# KiCad board TRX055.01.01.PB.00.00.kicad_pcb (continued)
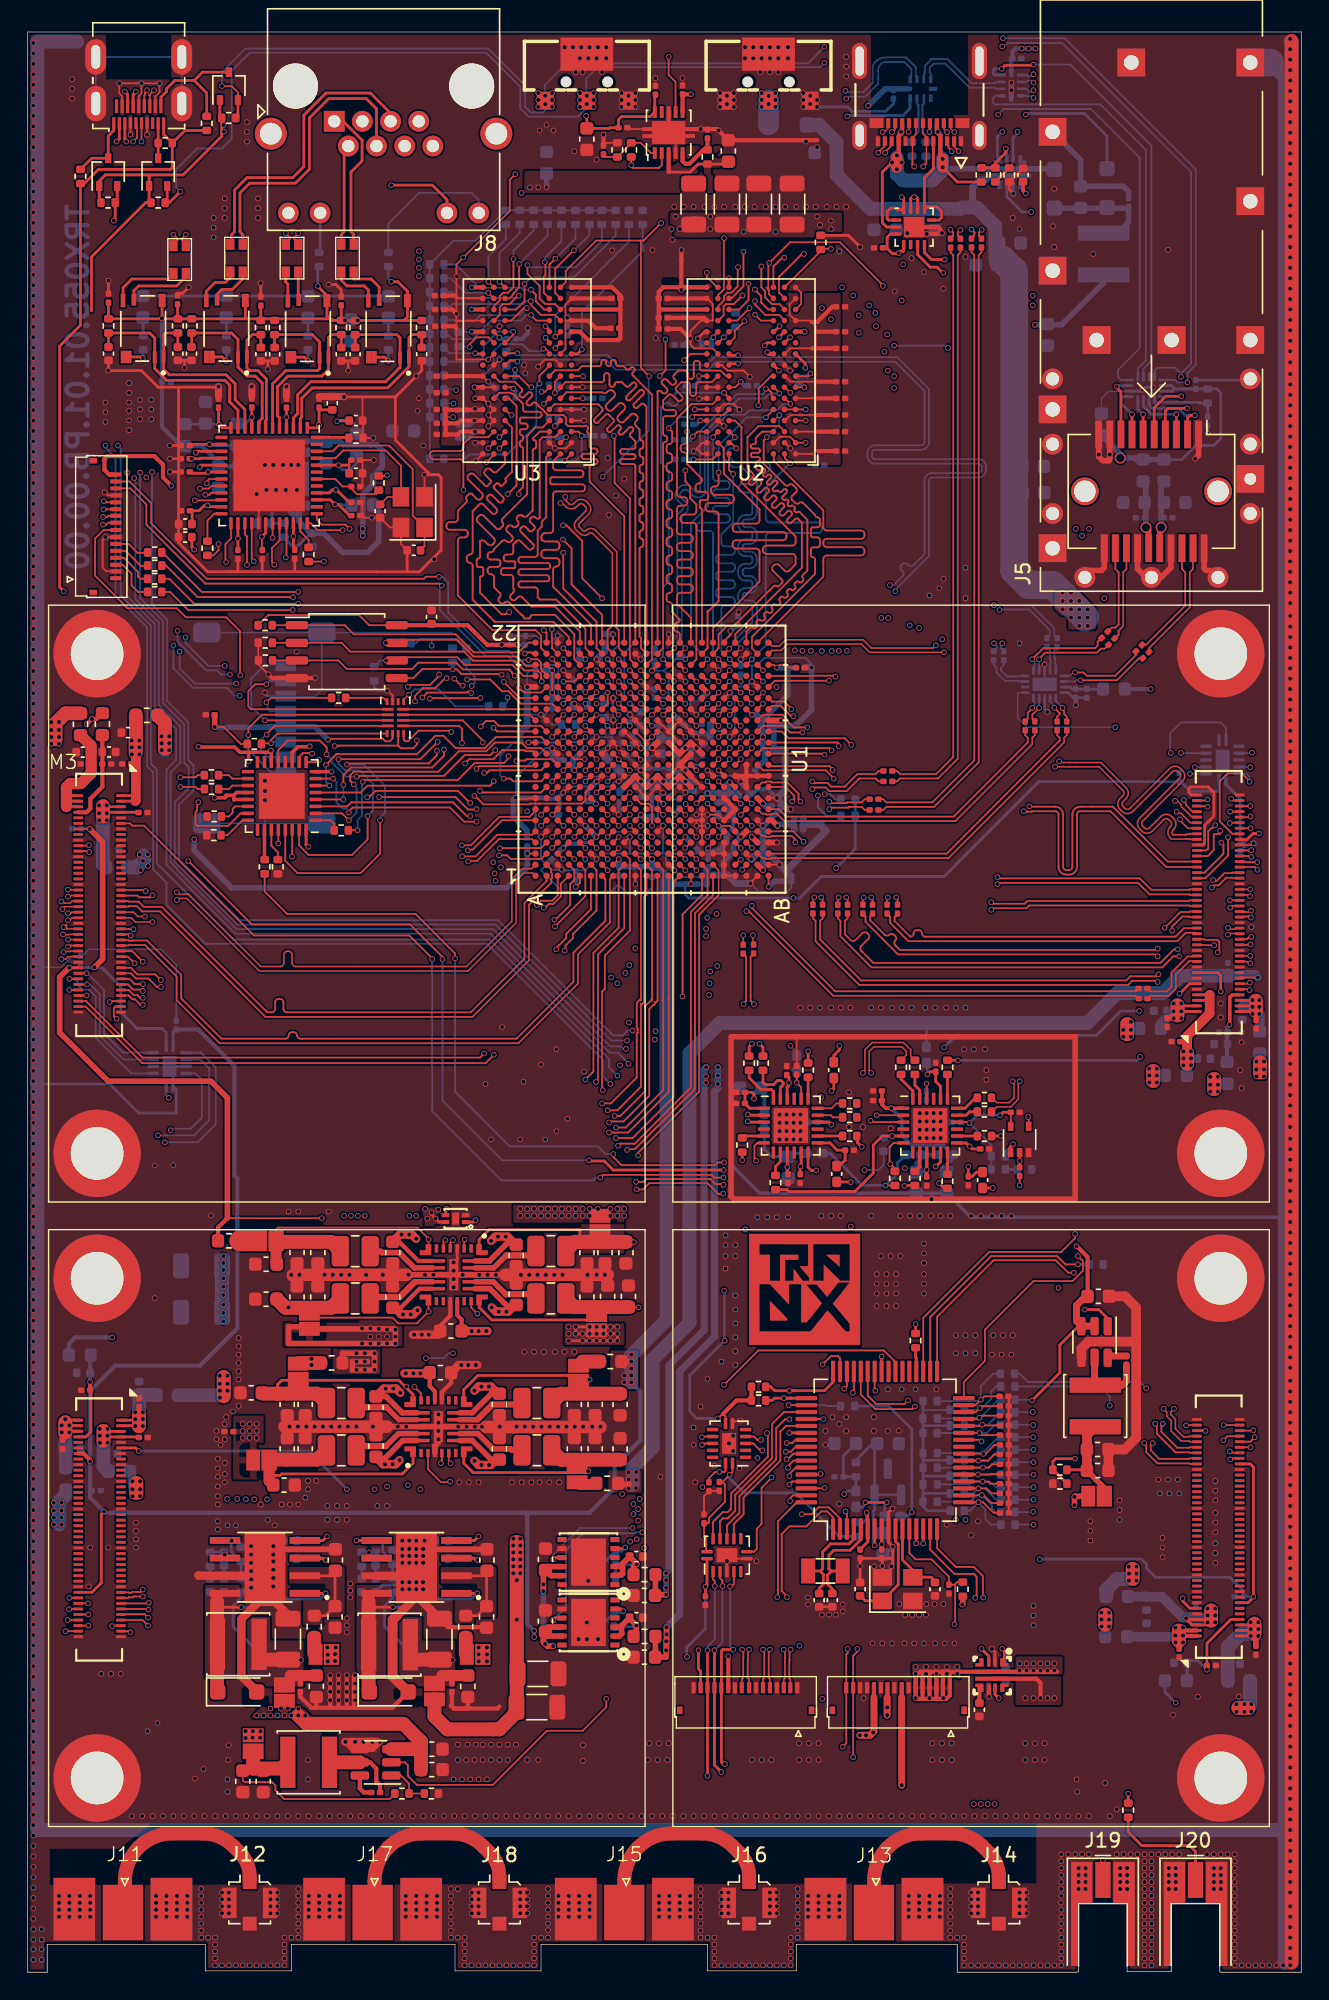
[diagram p0: board, top side]
## Routing (per net, layer and track width the routed paths; a pad name or vN(x,y) marks a point on that pad's centre or on a via; arc(x,y) is an arc through that point) (continued)
/ETH_PHY_Metal/SMI_MDIO: length 37.1
  Top w0.127: 29.6,93.55 29.6,93.35 29,92.75 27.55,92.75 v1(27.4,92.6) ; v1(23.2,104) 22.9,104.3 21.2,104.3 20.84,104.66 U11.37 ; U1.C11 37.8,87.4 35.95,87.4 35.85,87.3 35.27,87.3 v1(35.23,87.26)
  In2.Cu w0.127: 27.3,92.6 27.1,92.4 27.1,92 ; 27.1,92 27.1,88.77 28.77,87.1 30.15,87.1 30.73,87.68 30.73,88.51 31.15,88.93 31.45,88.93 33.14,87.24 35.2,87.24 v1(35.23,87.26) ; 27.1,92 27.1,92.08 ; v1(23.2,104) 23.2,103.27 28.24,98.23 28.24,96.97 28.24,94.64 29.37,93.51 29.64,93.51 v1(29.65,93.5)
/EXTIO_CLK_N: length 67.6
  Top w0.124: v1(51.5,23.25) 51.59,23.16 51.59,22.64 51.57,22.63 51.57,21.2 51.47,21.1 J23.9
  Top w0.127: U1.L4 v1(45,81)
  In2.Cu w0.106: v1(45,81) 45.25,81.25 45.39,81.25 45.65,80.99 45.65,53.98 44.75,53.08 44.75,35.34 45.15,34.94 45.15,26.94 46.84,25.25 49.94,25.25 50.14,25.05 arc(50.2,24.89) 50.14,24.72 arc(50.07,24.56) 50.14,24.4 50.23,24.3 arc(50.4,24.23) 50.56,24.3 arc(50.72,24.37) 50.89,24.3 51.6,23.59 51.6,23.35 v1(51.5,23.25)
/EXTIO_CLK_P: length 67.6
  Top w0.124: v1(52,23.25) 51.91,23.16 51.91,22.51 51.9,22.5 51.9,21.2 52,21.1 J23.8
  Top w0.127: U1.L5 v1(45,81.8)
  In2.Cu w0.106: v1(45,81.8) 45.25,81.55 45.51,81.55 45.52,81.57 45.95,81.13 45.95,53.85 45.05,52.95 45.05,35.46 45.45,35.06 45.45,27.06 46.96,25.55 50.07,25.55 51.9,23.72 51.9,23.35 v1(52,23.25)
/EXTIO_CS: length 65.6
  Top w0.127: U1.K5 v1(43.4,82.6)
  Top w0.2: J23.15 48.5,21.7 48.35,21.85 v1(48.35,23.2)
  In2.Cu w0.127: v1(48.35,23.2) 48.35,24.25 47.72,24.88 46.62,24.88 44.8,26.7 44.8,34.7 44.4,35.1 44.4,78.4 43.6,79.2 43.6,81.48 43.76,81.65 43.76,81.95 43.6,82.12 43.6,82.4 v1(43.4,82.6)
/EXTIO_D0_N: length 67.3
  Top w0.124: J23.6 53,21.1 53.09,21.19 53.09,23.16 v1(53,23.25)
  Top w0.127: U1.N3 v1(46.6,80.2)
  In2.Cu w0.106: 45.45,50.9 45.43,50.91 ; v1(53,23.25) 53.1,23.35 53.1,23.52 52.17,24.45 arc(52.04,24.5) 51.92,24.45 arc(51.79,24.4) 51.67,24.45 51.49,24.62 arc(51.44,24.75) 51.49,24.87 arc(51.54,24.99) 51.49,25.12 51.32,25.3 arc(51.19,25.35) 51.07,25.3 arc(50.95,25.24) 50.82,25.3 50.64,25.47 arc(50.59,25.6) 50.64,25.72 arc(50.7,25.84) 50.64,25.97 50.45,26.17 47.82,26.17 46.38,27.61 46.38,32.7 arc(46.32,32.83) 46.2,32.88 arc(45.85,33.02) 45.71,33.37 45.71,33.83 arc(45.85,34.18) 46.2,34.32 arc(46.32,34.37) 46.38,34.5 46.38,35.78 45.45,36.7 45.45,52.43 46.49,53.48 46.49,78.81 46.25,79.05 46.25,79.85 v1(46.6,80.2)
/EXTIO_D0_P: length 67.3
  Top w0.124: v1(53.5,23.25) 53.41,23.16 53.41,21.19 53.5,21.1 J23.5
  Top w0.127: U1.N4 v1(46.6,81)
  In2.Cu w0.106: v1(53.5,23.25) 53.4,23.35 53.4,23.65 50.58,26.47 47.94,26.47 46.68,27.73 46.68,32.7 arc(46.54,33.05) 46.2,33.19 arc(46.07,33.24) 46.02,33.37 46.02,33.83 arc(46.07,33.96) 46.2,34.01 arc(46.54,34.15) 46.68,34.5 46.68,35.87 45.75,36.8 45.75,52.3 46.8,53.35 46.8,78.9 47,79.1 47,80.6 v1(46.6,81)
/EXTIO_D1_N: length 67.2
  Top w0.124: J23.3 54.5,21.1 54.57,21.17 54.57,22.63 54.59,22.64 54.59,23.16 v1(54.5,23.25)
  Top w0.127: U1.P2 v1(47.4,79.4)
  In2.Cu w0.106: v1(47.4,79.4) 47.4,79.1 47.05,78.75 47.05,74.14 47.65,73.54 47.65,53.16 46.35,51.86 46.35,37.04 47.35,36.03 47.35,32.5 arc(47.49,32.17) 47.81,32.03 arc(47.92,31.99) 47.96,31.88 47.96,31.34 arc(47.92,31.23) 47.81,31.18 arc(47.49,31.05) 47.35,30.72 47.35,28.11 48.35,27.12 51.07,27.12 51.33,26.86 arc(51.39,26.7) 51.33,26.55 arc(51.26,26.39) 51.33,26.24 51.44,26.12 arc(51.6,26.06) 51.75,26.12 arc(51.91,26.19) 52.06,26.12 52.18,26.01 arc(52.24,25.85) 52.18,25.7 arc(52.11,25.54) 52.18,25.39 52.29,25.28 arc(52.45,25.21) 52.6,25.28 arc(52.76,25.34) 52.91,25.28 54.6,23.59 54.6,23.35 v1(54.5,23.25)
/EXTIO_D1_P: length 67.2
  Top w0.124: v1(55,23.25) 54.91,23.16 54.91,22.51 54.9,22.5 54.9,21.17 54.97,21.1 J23.2
  Top w0.127: U1.P3 v1(47.4,80.2)
  In2.Cu w0.106: 46.72,49.21 46.73,49.22 ; v1(55,23.25) 54.9,23.35 54.9,23.72 51.2,27.43 48.47,27.43 47.66,28.24 47.66,30.72 arc(47.7,30.83) 47.81,30.87 arc(48.14,31.01) 48.27,31.34 48.27,31.88 arc(48.14,32.21) 47.81,32.34 arc(47.7,32.39) 47.66,32.5 47.66,36.16 46.65,37.16 46.65,51.74 47.95,53.04 47.95,73.66 47.35,74.26 47.35,78.58 47.8,79.02 47.8,79.8 v1(47.4,80.2)
/FCCLK: length 65.2
  Top w0.127: 30.51,35.31 29.78,35.31 28.85,36.24 U6.3 ; U17.39 62.55,43.97 61.72,44.8 52.67,44.8 50.2,42.33 v1(50.2,42.33) ; U4.3 31.46,52.75 v1(31.5,52.79)
  In2.Cu w0.127: v1(48.63,34.96) 48.65,34.97 48.65,36.36 49.18,36.89 49.18,41.27 50.13,42.22 ; 31.47,52.83 31.94,52.36 31.94,49.22 32.89,48.27 32.89,47.29 32.42,46.82 31.84,46.82 31.29,46.27 31.29,44.56 30.74,44.01 30.74,42.55 30.2,42.01 30.2,38.1 31,37.3 31,35.9 v1(30.45,35.35) 30.45,35.11 30.97,34.59 42.74,34.59 42.87,34.46
  In4.Cu w0.127: v1(48.63,34.96) 48.14,34.46 42.85,34.46 v1(42.85,34.46)
/FPGA_CLK_REF_0: length 46.7
  Top w0.127: 47.2,70.35 47.2,76.22 48.58,77.6 48.6,77.6 U1.T1
  Top w0.2: U13.5 61.6,60.25 60.95,59.6 60.95,57.58 59.62,56.25 54.85,56.25 54.71,56.39 R77.2
  In2.Cu w0.127: 62.39,60.24 61.18,60.24 60.99,60.43 58.93,60.43 58.62,60.12 57.39,60.12 57.18,60.33 v1(57.18,63.05)
  In4.Cu w0.127: 57.19,63.07 56.76,63.5 51.3,63.5 50.8,63 49.3,63 48.4,63.9 48.4,66.1 47.2,67.3 v1(47.2,70.3)
  Bottom w0.127: R163.2 61.78,60.25 v1(62.31,60.25)
/FPGA_CLK_REF_1_N: length 39.7
  Top w0.106: v1(60.8,64.8) 60.65,64.95 60.65,66.34 60.99,66.67 63.01,66.67 63.33,66.35 63.33,66.09 R78.2
  Top w0.127: U1.K3 v1(44.2,80.2)
  In2.Cu w0.106: 45.1,67.3 44.85,67.55 44.85,78.82 44.2,79.47 v1(44.2,80.2)
  In4.Cu w0.106: v1(45.2,67.2) 45.37,67.37 45.59,67.37 47.85,65.12 47.85,63.44 49.04,62.25 59.36,62.25 60.65,63.54 60.65,64.65 v1(60.8,64.8)
/FPGA_CLK_REF_1_P: length 40.3
  Top w0.106: R79.2 63.64,66.02 63.64,66.48 63.14,66.98 60.86,66.98 60.35,66.46 60.35,64.95 v1(60.2,64.8)
  Top w0.127: U1.K4 v1(44.2,81)
  In2.Cu w0.106: v1(44.2,81) 44.51,80.69 44.51,80.39 44.55,80.35 44.55,80.05 44.51,80.01 44.51,79.62 45.15,78.98 45.15,67.9
  In4.Cu w0.106: v1(60.2,64.8) 60.35,64.65 60.35,63.66 59.24,62.55 49.16,62.55 48.15,63.56 48.15,65.25 45.72,67.68 45.37,67.68 v1(45.25,67.8)
/GT_LANE0_SEL: length 65.1
  Top w0.127: v1(75.5,53.2) 75.5,52.9 74.5,51.9 69.3,51.9 64.55,47.15 U17.35
  In4.Cu w0.127: 75.45,53.25 v1(75.5,53.2) ; 75.45,53.25 75.5,53.3 ; 75.45,53.25 75.35,53.35 75.35,68.95 77.15,70.75 77.15,86.75 78.4,88 v1(78.4,89.7)
  Bottom w0.1: v1(78.4,89.7) 72.05,89.7 71.35,90.4 71.35,92.15 71.4,92.2 U26.6
/GT_RX0_N: length 2
  Top w0.124: v1(72.4,91.1) 72.4,91.06 72.09,90.75 72.09,90.34 71.9,90.15 C91.1
  Bottom w0.124: v1(72.4,91.1) 72.57,91.27 72.57,91.73 U26.5
/GT_RX0_P: length 2
  Top w0.124: C90.1 72.6,90.15 72.41,90.34 72.41,90.6 72.76,90.95 72.76,90.96 v1(72.9,91.1)
  Bottom w0.124: U26.4 v1(72.9,91.1)
/GT_RX1_N: length 45.3
  Top w0.124: C269.1 68.03,123.92 68.23,123.73 68.23,87.32 65.2,84.29 61.89,84.29 61.67,84.52 C89.1
/GT_RX1_P: length 45.8
  Top w0.124: C270.1 68.75,123.92 68.55,123.73 68.55,87.18 65.34,83.97 61.89,83.97 61.67,83.74 C88.1
/GT_RX2_N: length 23.7
  Top w0.124: M1.29 84.21,74.9 83.48,74.9 82.87,74.29 63.48,74.29 62.16,75.61 62.16,76.04 61.95,76.25 C93.1
/GT_RX2_P: length 23.7
  Top w0.124: M1.31 83.34,75.22 82.73,74.61 64.7,74.61 arc(64.53,74.68) 64.46,74.85 arc(64.39,75.02) 64.22,75.09 64.1,75.09 arc(63.93,75.02) 63.86,74.85 arc(63.79,74.68) 63.62,74.61 62.49,75.74 62.49,76.04 62.7,76.25 C92.1
/GT_RX3_N: length 28.9
  Top w0.106: 87.03,74.85 86.61,74.85 v1(86.51,74.75)
  Top w0.124: C95.1 60.2,76.25 60.39,76.06 60.39,75.68 62.73,73.34 81.3,73.34
  In2.Cu w0.106: v1(81.45,73.2) 81.57,73.32 81.92,73.32 83.45,74.85 86.42,74.85 v1(86.51,74.75)
/GT_RX3_P: length 28.9
  Top w0.106: 87.03,75.15 86.61,75.15 v1(86.51,75.25)
  Top w0.124: 81.3,73.66 62.87,73.66 62.54,74 arc(62.47,74.16) 62.54,74.33 arc(62.6,74.5) 62.54,74.67 62.45,74.76 arc(62.28,74.83) 62.11,74.76 arc(61.94,74.69) 61.78,74.76 60.71,75.82 60.71,76.06 60.9,76.25 C94.1
  In2.Cu w0.106: v1(86.51,75.25) 86.42,75.15 83.32,75.15 81.79,73.63 81.57,73.63 v1(81.45,73.75)
/GT_TX0_N: length 2
  Top w0.124: v1(74,91.1) 74.39,90.71 74.39,90.65 74.2,90.47 C97.1
  Bottom w0.124: v1(74,91.1) 74,91.24 73.74,91.5 73.74,91.76 U26.2
/GT_TX0_P: length 2
  Top w0.124: v1(74.6,91.1) 74.6,90.96 74.71,90.85 74.71,90.65 74.9,90.47 C96.1
  Bottom w0.124: v1(74.6,91.1) 74.06,91.64 74.06,91.76 U26.1
/GT_TX1_N: length 42.3
  Top w0.124: C268.1 67.23,123.91 67.04,123.72 67.04,87.43 65.62,86.01 62.88,86.01 62.67,85.8 C98.1
/GT_TX1_P: length 41.8
  Top w0.124: C267.1 66.52,123.91 66.71,123.72 66.71,87.56 65.49,86.34 62.88,86.34 62.67,86.55 C99.1
/GT_TX2_N: length 32.9
  Top w0.124: v1(82.9,73.7) 82.62,73.7 81.65,72.73 60.95,72.73 60.08,73.6 arc(60.01,73.77) 60.08,73.94 60.6,74.45 arc(60.67,74.62) 60.6,74.79 60.51,74.88 arc(60.34,74.95) 60.17,74.88 59.66,74.36 arc(59.49,74.29) 59.32,74.36 58.91,74.77 58.91,75.74 59.1,75.93 C100.1 ; M1.25 84.81,74.03 84.83,74 v1(85.51,74)
  In2.Cu w0.106: v1(82.9,73.7) 82.93,73.67 83.45,73.67 83.51,73.6 84.99,73.6 85.1,73.72 85.11,73.72 85.24,73.85 85.36,73.85 v1(85.51,74)
/GT_TX2_P: length 32.9
  Top w0.124: v1(83,73.2) 82.58,73.2 81.78,72.4 60.82,72.4 58.58,74.64 58.58,75.74 58.39,75.93 C101.1 ; M1.27 84.81,74.42 84.84,74.39 85.76,74.39 85.9,74.25 85.9,73.5 85.88,73.48 v1(85.77,73.48)
  In2.Cu w0.106: v1(85.77,73.48) 85.57,73.28 85.13,73.28 85.11,73.3 83.39,73.3 83.29,73.2 v1(83,73.2)
/GT_TX3_N: length 36.7
  Top w0.124: 87.92,74.06 87.89,74.03 M1.26 ; C102.1 56.6,75.93 56.79,75.75 56.79,74.28 59.93,71.14 79.32,71.14 79.62,71.43 81.37,71.43 v1(81.45,71.35)
  In2.Cu w0.106: v1(88.15,74.05) 88.05,74.15 87.41,74.15 85.26,71.99 82.09,71.99 81.85,71.75 81.85,71.75 81.65,71.54 81.64,71.54 v1(81.45,71.35)
/GT_TX3_P: length 36.3
  Top w0.124: C103.1 57.3,75.93 57.11,75.75 57.11,74.42 60.07,71.46 79.18,71.46 79.48,71.76 81.37,71.76 v1(81.5,71.9) ; M1.28 87.89,74.42 88.05,74.59
  In2.Cu w0.106: v1(81.5,71.9) 81.56,71.9 81.97,72.3 85.13,72.3 87.29,74.45 88.05,74.45 v1(88.2,74.6)
/GTP_REF_CLK0_N: length 5.3
  Top w0.124: C106.1 80.92,70.68 82.11,70.68 82.44,71 82.44,72.02 83.61,73.19 84,73.19 84.03,73.22 M1.21
/GTP_REF_CLK0_P: length 5.3
  Top w0.124: C104.1 80.92,70.35 82.25,70.35 82.76,70.86 82.76,71.88 83.74,72.86 84,72.86 84.03,72.83 M1.19
/GTP_REF_CLK1_N: length 8.1
  Top w0.124: 51.55,69.75 51.78,69.98 51.78,73.18 51.58,73.39
  Top w0.2: R22.2 52,66.7 v1(52.2,66.9)
  In2.Cu w0.106: v1(51.6,69.75) 51.82,69.53 51.82,68.3 52.44,67.68 52.44,67.14 v1(52.2,66.9)
/GTP_REF_CLK1_P: length 8
  Top w0.124: v1(52.35,69.75) 52.11,69.99 52.11,73.18 C107.1
  Top w0.2: v1(52.75,66.9) 53,66.65 R23.2
  In2.Cu w0.106: v1(52.75,66.9) 52.75,67.83 52.13,68.45 52.13,69.53 v1(52.35,69.75)
/HDMI/HDMI_HPD: length 131.6
  Top w0.127: U17.59 55.36,36.36 54.9,35.9 v1(54.9,35.75)
  Top w0.2: Q3.2 6.45,127.65 R106.2 6.3,126.3
  In4.Cu w0.127: v1(54.9,35.75) 53.97,34.82 49.43,34.82 44.9,39.35 44.9,61.1 v1(42,64) ; v1(6.2,126.2) 6.2,110.6 v1(5.6,110)
  Bottom w0.127: v1(42,64) 41.5,64.5 41.5,65.7 33.1,74.1 12.8,74.1 10,76.9 10,78.5 9.03,79.47 9.03,86.48 8.6,86.91 8.6,96.9 6.33,99.17 6.33,109.13 5.6,109.85 v1(5.6,110)
/Main_Power/BOOT_PWR: length 8.6
  Bottom w0.4: L16.1 78.55,125.3 79.35,126.1 C287.2 79.27,127.1 D1.1
/Main_Power/OVLO: length 3.5
  Top w0.2: R98.1 R99.1 69.75,130.35 70.5,131.1 v1(70.5,131.4)
  Bottom w0.2: v1(70.5,131.4) 70.57,131.32 70.57,130.6
/Main_Power/TPS5430DD_DCDC1/FB: length 6.2
  Top w0.2: U7.5 23.7,31.1 v1(23.7,31.1)
  Bottom w0.2: 26.3,28.41 26.3,29.59 25.59,30.3 25.59,30.91 25.4,31.1 v1(23.7,31.1)
/Main_Power/TPS5430DD_DCDC1/TPSSW: length 10.6
  Top w0.127: U7.8 24.58,26.72
  Top w0.2: v1(26.33,26.3) 24.67,26.3 24.58,26.2
  Top w1: 24.58,26.72 24.58,20.2
  Bottom w0.2: C253.2 27,26.3 v1(26.33,26.3)
/Main_Power/TPS5430DD_DCDC1/TPSVIN: length 6.7
  Top w0.2: U7.2 32.74,28.56 C250.1 33.08,28.9 C249.1 32.39,25.69 FB39.2
/Main_Power/TPS5430DD_DCDC1/TPSVOUT: length 12.6
  Top w0.4: 29.85,21.38 29.28,20.8
  Top w0.8: C257.1 29.85,21.38
  Top w1: 29.28,22.53 28,22.53
  Bottom w0.2: 26.3,27.39 26.3,26.97 25.72,26.4 25.72,24.9 28.12,22.5 v1(30.62,22.5)
/Main_Power/TPS5430DD_DCDC/FB: length 2.8
  Bottom w0.2: 14.66,30.91 14.66,30.3 R3.1 R2.2
  vias: v1(14.7,31.1)
/Main_Power/TPS5430DD_DCDC/TPSSW: length 10.6
  Top w0.127: 14.22,27.29 13.65,26.72
  Top w0.2: v1(15.4,26.3) 13.75,26.3 13.65,26.2
  Top w1: 13.65,20.2 13.65,26.72
  Bottom w0.2: v1(15.4,26.3) 16.08,26.3 C235.2
/Main_Power/TPS5430DD_DCDC/TPSVIN: length 6.7
  Top w0.2: FB36.2 21.46,25.69 C234.1 22.15,28.9 C233.1 21.81,28.56 19.97,28.56
/Main_Power/TPS5430DD_DCDC/TPSVOUT: length 12.6
  Top w0.4: 18.92,21.38 18.35,20.8
  Top w0.8: C239.1 18.92,21.38
  Top w1: 18.35,22.53 17.08,22.53
  Bottom w0.2: R2.1 15.38,26.97 14.8,26.4 14.8,24.9 17.2,22.5 v1(19.7,22.5)
/MOD_A1_REFCLK: length 21.7
  Top w0.2: R82.2 67.04,65.71 v1(67.05,65.7) ; v1(83.03,70.5) 83.75,71.22 M1.11
  In4.Cu w0.2: 80.2,66 80.2,68.55 82.15,70.5 v1(83.03,70.5)
  Bottom w0.2: v1(80.2,65.95) 79.95,65.7 v1(67.05,65.7)
/MOD_A2_REFCLK: length 42.6
  Top w0.2: R84.2 v1(70.15,60.25) ; v1(83.25,26.95) 83.25,26.75 83.78,26.22 M2.11
  In2.Cu w0.2: v1(83.25,26.95) 83.25,31.75 74.95,40.05 74.95,58.4 73.1,60.25 v1(70.15,60.25)
/MOD_A3_REFCLK: length 77.8
  Top w0.127: 29.05,73.15 27.5,74.7 16.3,74.7 8.39,82.61 7.53,82.61 7.36,82.78 M3.11 ; v1(50.15,57.26) 50.14,57.25 49.5,57.25 49.3,57.45 41.45,57.45 41.28,57.28 v1(41.28,57.25)
  Top w0.2: R83.2 66.07,56.48 v1(65.7,56.85)
  In2.Cu w0.2: v1(65.7,56.85) 65.65,56.8 64.2,56.8 63.4,56 52.05,56 50.79,57.26 v1(50.15,57.26)
  Bottom w0.127: v1(29.15,73) 29.15,62.05 34.15,57.05 40.75,57.05 40.95,57.25 v1(41.28,57.25)
/MOD_A4_REFCLK: length 96.5
  Top w0.2: v1(8,37.55) 7.78,37.78 M4.11 ; R74.2 v1(56.25,66.35)
  In2.Cu w0.2: v1(23,34.8) 25.3,32.5 40.65,32.5 41.6,31.55 43.55,31.55 v1(43.9,31.2)
  In4.Cu w0.127: 59.72,33.03 59.72,33 58.97,32.25 56.85,32.25 56.4,31.8 45.9,31.8 45.4,31.3 44.3,31.3 44.2,31.2 v1(43.9,31.2)
  In4.Cu w0.2: 59.72,33.03 59.9,33.2 59.9,56.29 61.67,58.06 61.67,65.62 60.95,66.35 v1(56.25,66.35)
  Bottom w0.2: v1(8,37.55) 20.25,37.55 v1(23,34.8)
/Module_A1/MOD_SPI_MISO: length 7.8
  Top w0.127: M1.68 v1(88.15,82.42)
  In2.Cu w0.127: v1(88.15,82.42) 88.47,82.42 88.8,82.75 88.8,87.35 88.3,87.85
  Bottom w0.127: U19.10 88.21,87.84 v1(88.25,87.88)
/Module_A1/MOD_SPI_MOSI: length 7.4
  Top w0.127: v1(86.65,82.8) 86.68,82.83 M1.70
  In2.Cu w0.127: 88.15,86.8 88.53,86.42 88.53,83.1 88.22,82.8 v1(86.65,82.8)
  Bottom w0.127: v1(88.12,86.83) 88.11,86.84 U19.12
/Module_A1/MOD_SPI_SCK: length 8.2
  Top w0.127: 86.68,82.17 86.82,82.03 87,82.03 ; 88.07,85.83 87.53,86.38 86.5,86.38 85.93,85.8 85.93,82.92 86.7,82.15
  Bottom w0.127: v1(88.07,85.78) 88.07,86.1 87.84,86.34 U19.13
/Module_A1/MOD_VDD_1V8D: length 5.7
  Top w0.25: 86.65,68.3 86.65,70.25 86.82,70.42 M1.8
  Bottom w0.25: v1(86.62,68.28) 86.5,68.15
  Bottom w0.3: v1(86.62,68.28) 86.45,68.1 FB26.1
/Module_A1/MOD_VDD_3V3: length 8.6
  Top w0.2: M1.5 85.2,70.03 ; M1.7 85.2,70.42
  Top w0.7: 83.57,65.78 83.57,67.45 85.2,69.08 85.2,70.42
  Top w1: 83.57,66.19 83.57,65.46
  Bottom w1: 83.57,66.19 83.57,65.46
  vias: v1(83.29,66.35) v1(83.3,65.85) v1(83.3,65.35) v1(83.85,66.35) v1(83.85,65.85) v1(83.85,65.35)
/Module_A1/MOD_VDD_SYSTEM: length 8.2
  Top w0.2: v1(88.78,70.05) 88.76,70.03 87.39,70.03 ; 87.39,69.62 88.71,69.62 v1(88.78,69.55) ; 88.53,69.3 88.46,69.22 87.39,69.22
  Top w1: 88.53,69.3 88.53,70
  In4.Cu w1: 88.53,69.25 88.43,69.35 88.53,69.45 88.53,69.95
  Bottom w0.7: FB22.1 88.8,69.03 v1(88.28,69.55) 88.25,69.58 87.55,69.58
  vias: v1(88.28,70.05) v1(88.28,69.05) v1(88.78,69.05)
/Module_A1/MOD_VDDA_5V5: length 5.4
  Top w0.2: M1.3 83.22,69.62 ; M1.1 83.22,69.22
  Top w0.4: 82.1,68.78 82.78,68.78
  Top w1: 82.88,69.66 82.88,68.94
  Bottom w0.7: 81.72,67.9 81.72,68.38 82.2,68.85
  Bottom w1: 82.88,69.66 82.88,68.94
  vias: v1(82.59,69.8) v1(82.59,69.23) v1(82.6,68.73) v1(83.16,69.81) v1(83.16,69.23) v1(83.16,68.73)
/Module_A1/RefCLK1: length 2.9
  Top w0.2: v1(85.99,70.67) 85.99,71.8 85.77,72.03 M1.15
/Module_A2/MOD_VDD_1V8D: length 7.7
  Top w0.2: M2.8 86.72,25.43 85,23.7 C205.1
  Bottom w0.2: v1(85,21.8) 84.35,22.45 83.72,22.45 C204.1 83.57,21.03 FB27.1
/Module_A2/MOD_VDD_3V3: length 11.3
  Top w0.2: 85.03,25.03 M2.5 83.93,25.03 83.53,25.43 M2.7 85.05,25.43
  Top w1: 85.3,26.06 85.3,25.34
  Bottom w0.7: FB31.1 80.62,27.07 C212.1 81.78,27.05 83.28,25.55 85.09,25.55 85.3,25.34
  Bottom w1: 85.3,26.06 85.3,25.34
  vias: v1(83.5,25.5) v1(85.04,26.22) v1(85.05,25.72) v1(85.05,25.22) v1(85.6,26.22) v1(85.6,25.72) v1(85.6,25.22)
/Module_A2/MOD_VDD_SYSTEM: length 11
  Top w0.2: 88.51,24.3 88.43,24.22 87.37,24.22 ; 87.37,24.62 88.68,24.62 ; 88.76,25.05 88.73,25.03 87.37,25.03
  Top w0.4: 88.43,24.39 88.53,24.29 C197.1
  Top w1: 88.43,25.11 88.43,24.39
  Bottom w1: FB23.1 86.5,21.01 86.5,23.43 87.46,24.39 88.43,24.39 88.43,25.11
  vias: v1(88.14,25.22) v1(88.15,24.72) v1(88.15,24.22) v1(88.7,25.22) v1(88.7,24.72) v1(88.7,24.22)
/Module_A2/MOD_VDDA_5V5: length 7.3
  Top w0.3: M2.3 82.99,24.62 82.97,24.61 ; M2.1 83.31,24.22 v1(83.28,24.26)
  Top w1: 82.97,24.61 82.97,23.89
  Bottom w0.7: FB19.1 C188.1 82.63,24.18 v1(82.72,24.26)
  Bottom w1: 82.97,24.61 82.97,23.89
  vias: v1(82.72,24.83) v1(82.73,23.76) v1(83.28,24.84) v1(83.28,23.76)
/Module_A3/MOD_SPI_MISO: length 11.4
  Top w0.127: M3.68 v1(3,71.58)
  Bottom w0.127: U23.10 7.46,64.76 4.9,67.33 4.9,70.3 4.4,70.8 3.92,70.8 3.62,71.1 3.62,71.33 3.38,71.58 v1(3,71.58)
/Module_A3/MOD_SPI_MOSI: length 9.4
  Top w0.127: M3.70 v1(4.28,71.17)
  Bottom w0.127: U23.12 6.91,65.76 5.2,67.47 5.2,70.47 4.5,71.17 v1(4.28,71.17)
/Module_A3/MOD_SPI_SCK: length 9.6
  Top w0.127: v1(4.25,71.97) M3.66
  Bottom w0.127: v1(4.25,71.97) 4.3,71.97 5.5,70.78 5.5,67.65 6.89,66.26 U23.13
/Module_A3/MOD_VDD_1V8D: length 6.6
  Top w0.3: FB28.1 5.38,85.41 4.51,84.54 4.51,83.84 4.25,83.58 M3.8
/Module_A3/MOD_VDD_3V3: length 11.7
  Top w0.2: 6.83,83.98 5.78,83.98 ; 5.78,83.58 7.78,83.58
  Top w1: 5.43,84.02 5.43,83.29
  Bottom w0.3: 5.44,83.15 5.68,83.15 5.68,84.1 5.2,84.1 5.2,83.15 5.44,83.15 ; 5.44,83.15 5.36,83.23 ; 5.2,83.63 5.68,83.63
  Bottom w1: FB32.1 5.41,79.82 5.41,84.01
  vias: v1(5.14,84.07) v1(5.14,83.5) v1(5.15,83) v1(5.7,84.08) v1(5.7,83.5) v1(5.7,83)
/Module_A3/MOD_VDD_SYSTEM: length 9.1
  Top w0.2: 3.61,83.98 2.79,83.98 ; 3.7,84.38 2.88,84.38 ; 3.56,84.78 2.73,84.78
  Top w0.8: 2.79,83.98 2.79,85.38 3.06,85.65 3.83,85.65 4.57,86.39 4.57,88.36 FB24.1
/Module_A3/MOD_VDDA_5V5: length 13
  Top w0.2: 6.69,84.78 7.75,84.78 ; 6.69,84.38 7.75,84.38
  Top w0.7: 7.75,88.23 7.8,88.19 7.8,84.42 7.75,84.38
  Top w1: FB20.1 7.8,88.69 7.78,88.67 7.78,87.95
  Bottom w0.3: 7.75,88.76 7.56,88.76 7.56,87.81 7.79,87.81 ; 7.75,88.76 8.03,88.76 8.03,87.81 7.79,87.81 ; 7.75,88.76 7.79,88.72 ; 7.79,87.81 7.71,87.89 ; 7.56,88.28 8.03,88.28
  Bottom w1: 7.79,87.81 7.79,88.72
  vias: v1(7.49,88.75) v1(7.5,88.25) v1(7.5,87.75) v1(8.05,88.75) v1(8.05,88.25) v1(8.05,87.75)
/Module_A4/MOD_VDD_1V8D: length 6.7
  Top w0.2: M4.8 4.19,38.57 4.55,38.93 4.55,42
  Top w0.3: 4.5,42.57 4.5,42.56 4.5,41.94
  Bottom w0.3: v1(4.49,42.53) 4.49,44.42 FB29.1
/Module_A4/MOD_VDD_3V3: length 6.8
  Top w0.2: 5.81,38.57 7.81,38.57 ; 6.86,38.97 5.81,38.97
  Top w1: 5.46,39.01 5.46,38.28
  Bottom w1: FB33.1 5.46,36.45 5.46,39.01
  vias: v1(5.19,39.15) v1(5.2,38.65) v1(5.2,38.15) v1(5.75,39.15) v1(5.75,38.65) v1(5.75,38.15)
/Module_A4/MOD_VDD_SYSTEM: length 8.7
  Top w0.2: 3.77,39.79 2.7,39.79 2.63,39.71 ; 3.77,38.99 2.4,38.99 2.38,38.96 ; 3.77,39.39 2.45,39.39
  Top w0.4: 2.61,39.72 2.71,39.62
  Top w1: 2.71,38.9 2.71,39.62
  Bottom w1: 2.71,38.2 2.71,39.62 ; 2.71,38.2 2.71,37.86 2.74,37.83 FB25.1 ; 2.71,38.2 2.71,37.53
  vias: v1(2.45,39.4) v1(2.45,38.9) v1(2.7,39.85) v1(3,39.4) v1(3,38.9)
/Module_A4/MOD_VDDA_5V5: length 6.3
  Top w0.2: 6.61,39.78 7.67,39.78 ; 6.61,39.38 7.67,39.38
  Top w1: 8.02,39.34 8.02,40.07
  Bottom w1: 8.02,39.34 8.02,40.07 8.03,40.08 C192.1 9.25,41.6
  vias: v1(7.74,40.35) v1(7.75,39.85) v1(7.75,39.35) v1(8.3,40.35) v1(8.3,39.85) v1(8.3,39.35)
/PS_UART0_RX: length 46.5
  Top w0.127: v1(29.85,99.9) 29.7,100.05 12.8,100.05 8.55,104.3 8.55,105.75 7.39,106.91 J10.14 ; v1(41.8,92.2) 41.81,92.19 41.81,91.41 U1.G16
  Bottom w0.127: v1(41.8,92.2) 41.64,92.2 41.23,91.79 38.5,91.79 38.24,92.05 38.24,94.09 38.14,94.19 35.26,94.19 34.6,94.85 33,94.85 29.7,98.15 29.7,99.75 v1(29.85,99.9)
/PS_UART0_TX: length 39.5
  Top w0.127: v1(29.65,100.55) 28.7,100.55 28.55,100.4 12.9,100.4 8.9,104.4 8.9,105.85 7.34,107.41 J10.15 ; v1(36.1,94.55) 36.15,94.6 36.76,94.6 37,94.36 37,93.88 37.4,93.48 U1.B19
  Bottom w0.127: v1(36.1,94.55) 35.35,94.55 34.7,95.2 33.1,95.2 30.3,98 30.3,100.15 29.9,100.55 v1(29.65,100.55)
/PS_UART1_RX: length 142.4
  Top w0.127: U33.11 48.7,38.1 v1(48.6,38) ; U1.A17 35.47,91.8 34.34,92.94
  In2.Cu w0.127: 34.3,92.95 33.9,92.95 33.79,93.06 33.26,93.06 31.11,95.21 31.11,97.49 27.97,100.63 27.97,103.57 23.32,108.22 15.95,108.22 13.09,111.08 9.23,111.08 7.67,109.52 v1(7.67,107.65)
  In2.Cu w0.3: v1(34.32,92.97) 34.3,92.95
  In4.Cu w0.127: v1(48.6,38) 48.65,38.05 48.85,38.05 49.15,38.35 49.15,39.3 47.7,40.75 47.7,50.75 46.55,51.9 46.55,62.85 43.5,65.9 43.5,66.15 v1(43.12,66.53)
  Bottom w0.127: v1(7.67,107.65) 7.75,107.57 7.75,98.95 9.45,97.25 9.45,91.3 11,89.75 11,87.15 10.3,86.45 10.3,79.98 10.8,79.48 10.8,79.4 15.04,75.16 33.54,75.16 41.99,66.71 42.75,66.71 42.94,66.53 v1(43.12,66.53)
/PS_UART1_TX: length 144.5
  Top w0.127: v1(48.6,38.55) 48.65,38.6 U33.10 ; U1.C18 v1(38.6,92.2)
  In2.Cu w0.127: v1(38.6,92.2) 38.32,92.2 37.92,92.6 36.6,92.6 36.24,92.96 34.96,92.96 34.74,93.18 34.74,93.54 31.85,96.43 31.85,97.24 28.28,100.81 28.28,104.03 23.28,109.03 18.36,109.03 ; 18.36,109.03 18.22,109.03 ; 18.36,109.03 15.63,109.03 13.25,111.41 9.11,111.41 7.17,109.47 v1(7.17,108.05)
  In4.Cu w0.127: v1(48.6,38.55) 48.5,38.65 47.65,38.65 47.4,38.9 47.4,50.55 46.15,51.8 46.15,62.6 v1(43.3,65.45)
  Bottom w0.127: v1(7.17,108.05) 7.17,99.13 9.15,97.15 9.15,91.1 10.7,89.55 10.7,87.35 10,86.65 10,79.8 14.97,74.83 33.37,74.83 41.95,66.25 42.55,66.25 43.3,65.5
/PWR_3V3D_EN: length 64.6
  Top w0.127: U21.2 27.19,15.12 27.4,14.91 27.4,14.15 28.05,13.5 33.53,13.5 37.42,17.4 40,17.4 41.7,19.1 v1(41.7,19.7) ; U17.42 61.05,41.95 v1(61.1,41.9)
  In2.Cu w0.127: v1(61.1,41.9) 61.03,41.82 61.03,41.57 60.58,41.12 56.5,41.12 55.62,40.25 55.62,33.65 55.41,33.44 55.41,32.29 55.62,32.07 55.62,26.25 57.78,24.1 57.78,20.2 v1(57.28,19.7)
  In4.Cu w0.127: v1(41.7,19.7) 57.17,19.7 57.2,19.68
/PWR_5V5A_EN: length 50.6
  Top w0.127: v1(64.55,30.9) U17.14
  Top w0.2: 19.97,29.84 21.24,29.84 21.38,29.7 v1(21.5,29.7)
  In2.Cu w0.127: v1(43.42,31.03) 43.4,31.05 41.73,31.05 40.78,32 23.8,32 v1(21.5,29.7)
  In4.Cu w0.127: v1(64.55,30.9) 64.55,31.25 63.9,31.9 57,31.9 56.6,31.5 46.2,31.5 45.7,31 44.32,31 44.02,30.7 43.7,30.7 43.42,30.97 v1(43.42,31.03) 43.56,31.03
  Bottom w0.2: v1(21.5,29.7) 21.4,29.8 R1.1
/PWR_CORE_EN: length 38.8
  Top w0.127: U17.13 v1(64.05,30.9)
  Top w0.2: 30.9,29.84 32.17,29.84 32.3,29.7 v1(32.42,29.7)
  In2.Cu w0.127: v1(32.42,29.7) 32.7,29.7 34.7,31.7 40.3,31.7 41.76,30.24 44.11,30.24 v1(44.44,30.56)
  In2.Cu w0.2: 32.55,29.7 v1(32.42,29.7)
  In4.Cu w0.127: v1(44.44,30.56) 45.86,30.56 46.5,31.2 56.8,31.2 57.12,31.53 63.47,31.53 64.05,30.95 v1(64.05,30.9)
  Bottom w0.2: v1(32.42,29.7) 32.33,29.8 R91.1
/PWR_MAIN_EN: length 112.8
  Top w0.127: v1(75.7,51) 74.8,51 74.2,51.6 69.45,51.6 65.05,47.2 U17.34
  In2.Cu w0.127: v1(70.25,132.6) 72.15,130.7 75.7,130.7 78.25,128.15 78.25,120.85 77.8,120.4 76.8,120.4 75.55,119.15 75.55,108.85 74.75,108.05 74.75,106.4 76.05,105.1 76.05,103.55 v1(76,103.5)
  In4.Cu w0.127: v1(75.7,51) 75.9,51 76.68,51.78 76.68,67.95 78.62,69.9 78.62,86.12 80.12,87.62 80.12,94.38 79.15,95.35 79.15,99.65 76,102.8 v1(76,103.5)
  Bottom w0.2: U27.1 69.9,132.25 v1(70.25,132.6) ; R97.1 v1(75.7,51)
/PWR_MAIN_IMON: length 104.8
  Top w0.127: v1(75.7,51.6) 76.06,51.24 76.06,50.55 75.32,49.8 72.5,49.8 69,46.3 69,44.05 67.47,42.53 U17.32
  In2.Cu w0.127: 75.1,109.7 75.1,109 74.35,108.25 74.35,106.25 75.55,105.05 v1(75.55,104) ; 75.1,109.7 75.1,119.3 76.55,120.75 77.6,120.75 77.95,121.1 77.95,125.4 76.75,126.6 72.55,126.6 v1(72.32,126.83) ; 75.1,109.7 75.1,109.65
  In4.Cu w0.127: v1(75.7,51.6) 76.4,52.3 76.4,68.2 78.25,70.05 78.25,86.25 79.75,87.75 79.75,94.25 78.8,95.2 78.8,99.45 75.55,102.7 v1(75.55,104)
  Bottom w0.2: 70.57,128.8 70.57,127.92 71.68,126.83 v1(72.32,126.83)
/PWR_MAIN_PG: length 111.6
  Top w0.127: 65.55,44.5 65.55,47.22 69.62,51.3 74.1,51.3 75,50.4 v1(75.4,50.4) ; 65.55,44.5 U17.33 ; 65.55,44.5 65.55,44.55
  In2.Cu w0.127: 76,109.15 76,113.6 78.55,116.15 78.55,128.35 75.85,131.05 72.35,131.05 71.35,132.05 v1(71.35,132.6) ; 76,109.15 76,108.85 77.65,107.2 77.65,106.2 76.5,105.05 v1(76.5,104) ; 76,109.15 76,109.1
  In4.Cu w0.127: v1(75.4,50.4) 76,50.4 76.97,51.38 76.97,67.78 80,70.8 80,87 80.5,87.5 80.5,94.5 79.55,95.45 79.55,95.6 ; 79.55,95.6 79.55,95.55 ; 79.55,95.6 79.55,99.85 76.5,102.9 v1(76.5,104)
  Bottom w0.2: U27.3 71.03,132.18 71.35,132.5